# Altium PCB WatcherJet3.pcbdoc (part 3 of 3)
Units mm, origin at the board's own origin, x right, y up, seen from the top; angles counter-clockwise.
Board outline 160 x 115 mm, 2 copper layers (Top Layer, Bottom Layer); 120 components, 123 nets, 463 pads, 264 vias.
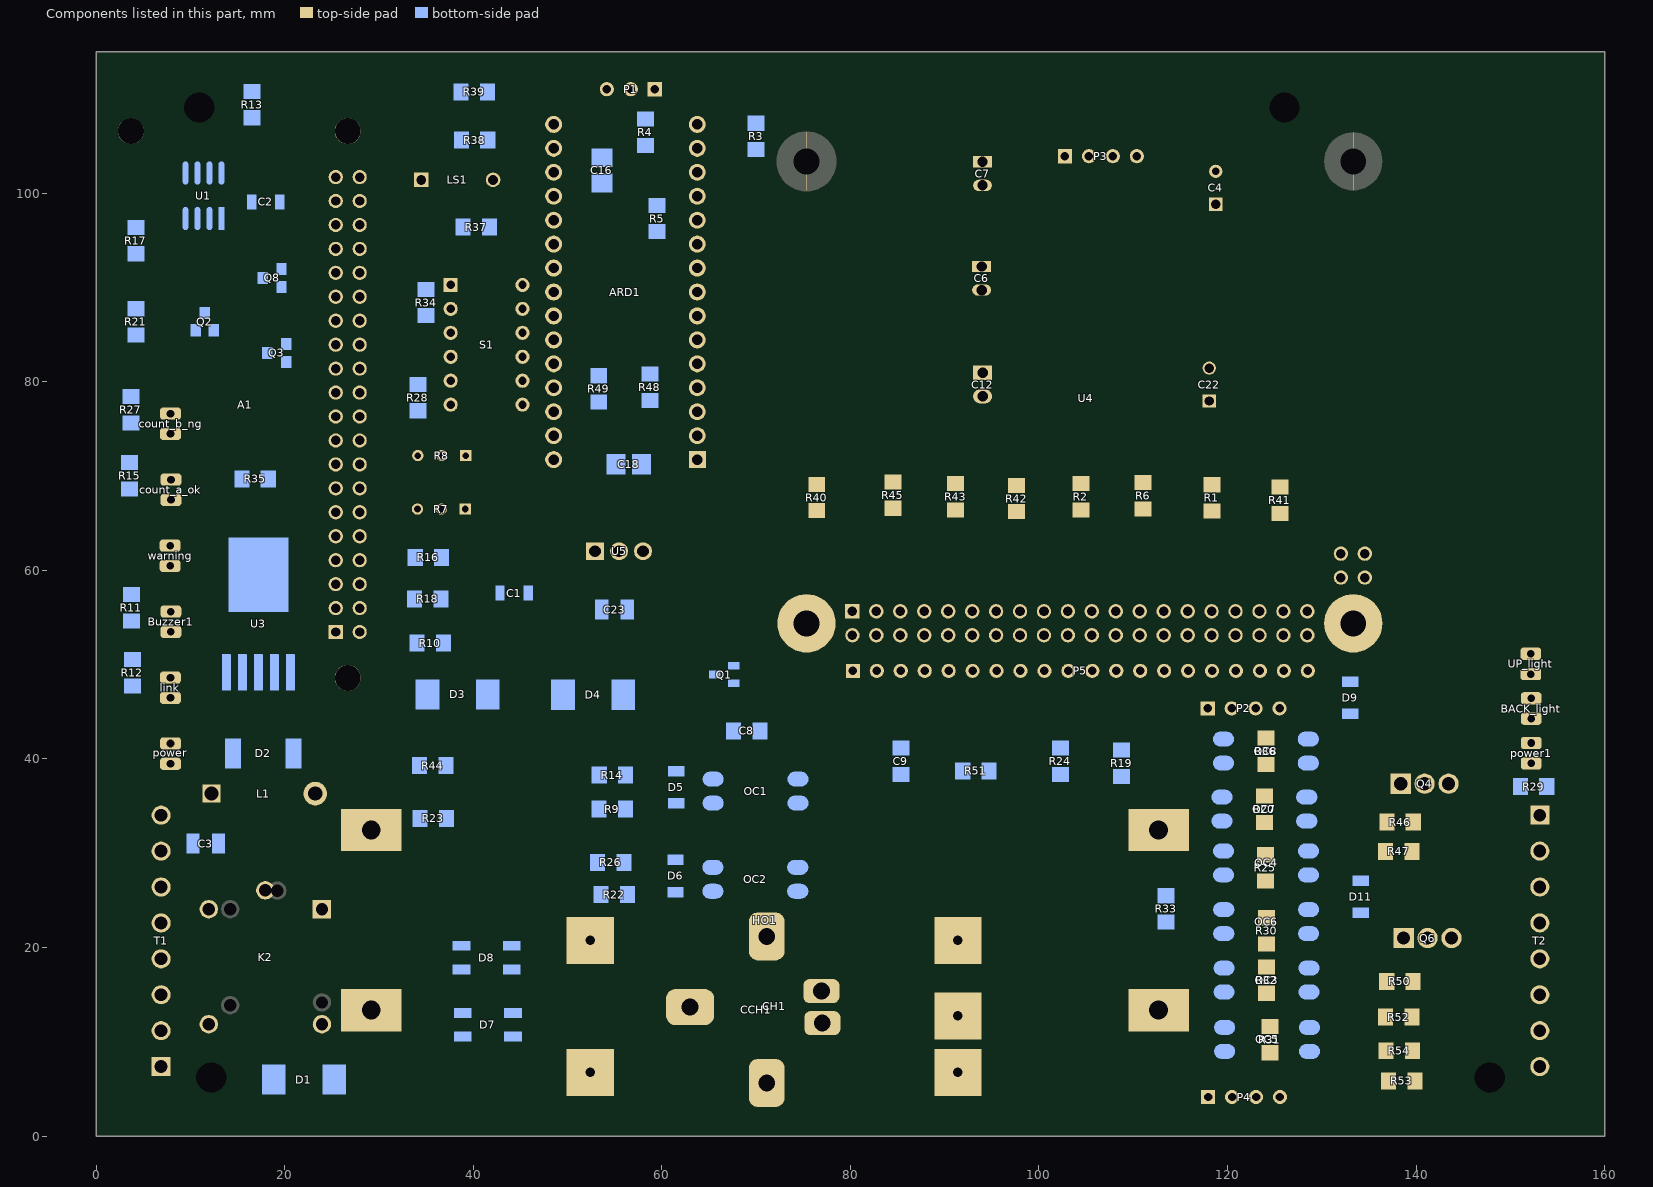
[diagram p3: the components of this part, seen from the top]

## Silkscreen, mask and mechanical layers (free items; w line width, h text height) (continued)
Bottom Overlay:
  drawing of 181 lines, arcs and shapes, not listed
  text "D: 2024-07-08, T: 19:24::37" at 129.912,111.461 h2
  text "Arduino" at 50.787,99.148 h0.9 r90
  text "MONITAIT.COM /  WatcherJET" at 118.894,76.526 h2
  text "Sensitivity Direction" at 45.786,66.164 h0.89 r270
  text "TXD" at 119.041,43.253 h0.9
  text "RXD" at 127.117,43.267 h0.9
  text "RS485 module" at 117.542,40.905 h0.9 r90
  text "RS485-A" at 5.501,33.774 h0.7
  text "Warning" at 151.921,32.755 h0.9
  text "RS485-B" at 5.457,29.884 h0.7
  text "Buzzer" at 151.695,29.348 h0.9
  text "GPIO20" at 151.808,25.734 h0.9
  text "IN B" at 5.293,25.51 h0.8
  text "IN B" at 5.326,22.193 h0.8
  text "GPIO21" at 152.076,21.459 h0.9
  text "IN A" at 5.37,18.565 h0.8
  text "U1" at 151.836,17.036 h0.8
  text "IN A" at 5.064,14.807 h0.8
  text "B1" at 151.662,13.721 h0.8
  text "12V_IN" at 5.671,11.617 h0.8
  text "PPS" at 151.696,9.823 h0.8
  text "GND" at 5.195,6.984 h0.8
  text "3.3V" at 127.502,4.99 h0.9
  text "GND" at 119,4.93 h0.9
  text "B" at 123.523,4.936 h0.9
  text "A" at 120.963,4.04 h0.9
Top Assembly:
  circle w0.254: c38.279,101.43 r6.858
Mechanical 13:
  lines w0.3: 159.997,61.185 159.999,61.187

## Text inside footprints (layer, text, board x,y; h text height)
A1: Bottom Overlay "1" at 22.538,53.124 h1.02 r270
BACK_light: Bottom Overlay "+" at 149.168,44.526 h1 r270
Buzzer1: Bottom Overlay "+" at 6.248,52.959 h1 r90
CH1: Bottom Overlay "B+" at 60.536,5.472 h3; Bottom Overlay "B-" at 60.932,19.245 h3; Bottom Overlay "BM" at 87.289,19.245 h3; Bottom Overlay "P+" at 87.289,4.977 h3; Bottom Overlay "P-" at 87.091,11.021 h3
count_a_ok: Bottom Overlay "+" at 4.875,67.736 h1 r270
count_b_ng: Bottom Overlay "+" at 4.823,74.735 h1 r270
link: Bottom Overlay "+" at 4.821,46.734 h1 r270
LS1: Bottom Overlay "+" at 30.761,103.877 h1.52
power: Bottom Overlay "+" at 4.825,39.738 h1 r270
power1: Bottom Overlay "+" at 150.54,39.016 h1 r90
UP_light: Bottom Overlay "+" at 149.13,49.255 h1 r270
warning: Bottom Overlay "+" at 4.774,60.736 h1 r270